# Altium PCB RTU PCB v1.4.PcbDoc (part 1 of 2)
Units mm, origin at the board's own origin, x right, y up, seen from the top; angles counter-clockwise.
Board outline 270.31 x 104.06 mm, 2 copper layers (Top Layer, Bottom Layer); 361 components, 282 nets, 1153 pads, 0 vias.
Unrouted connection lines stored in the file: 810.
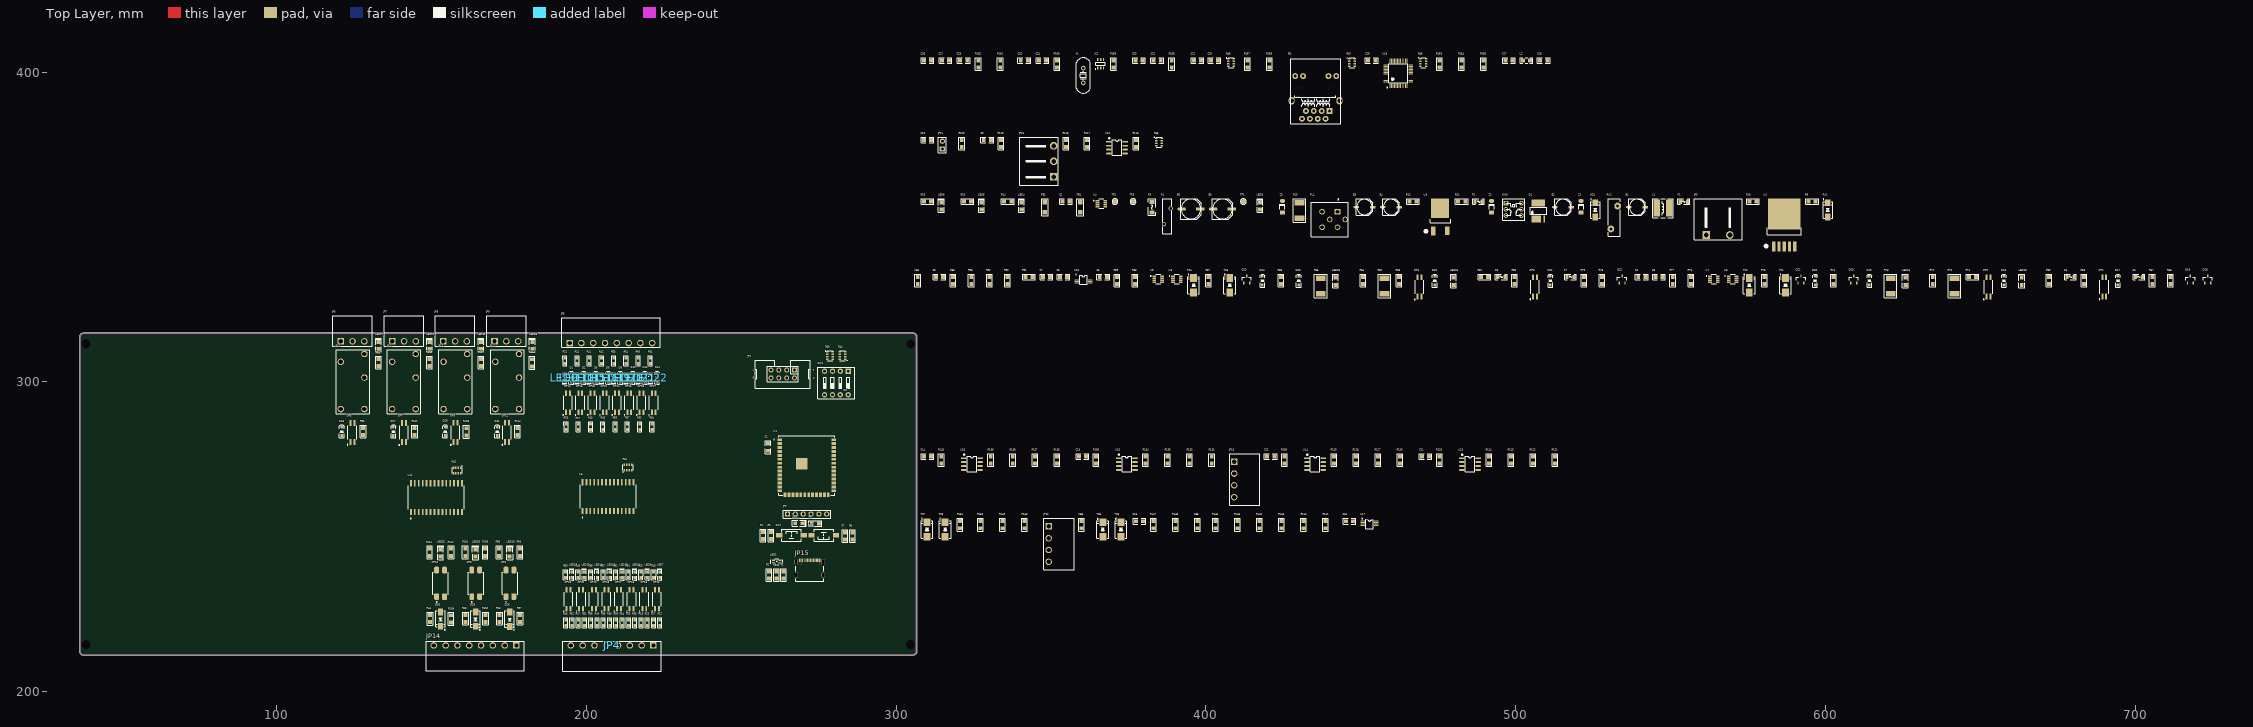
[diagram p0: Top Layer view]
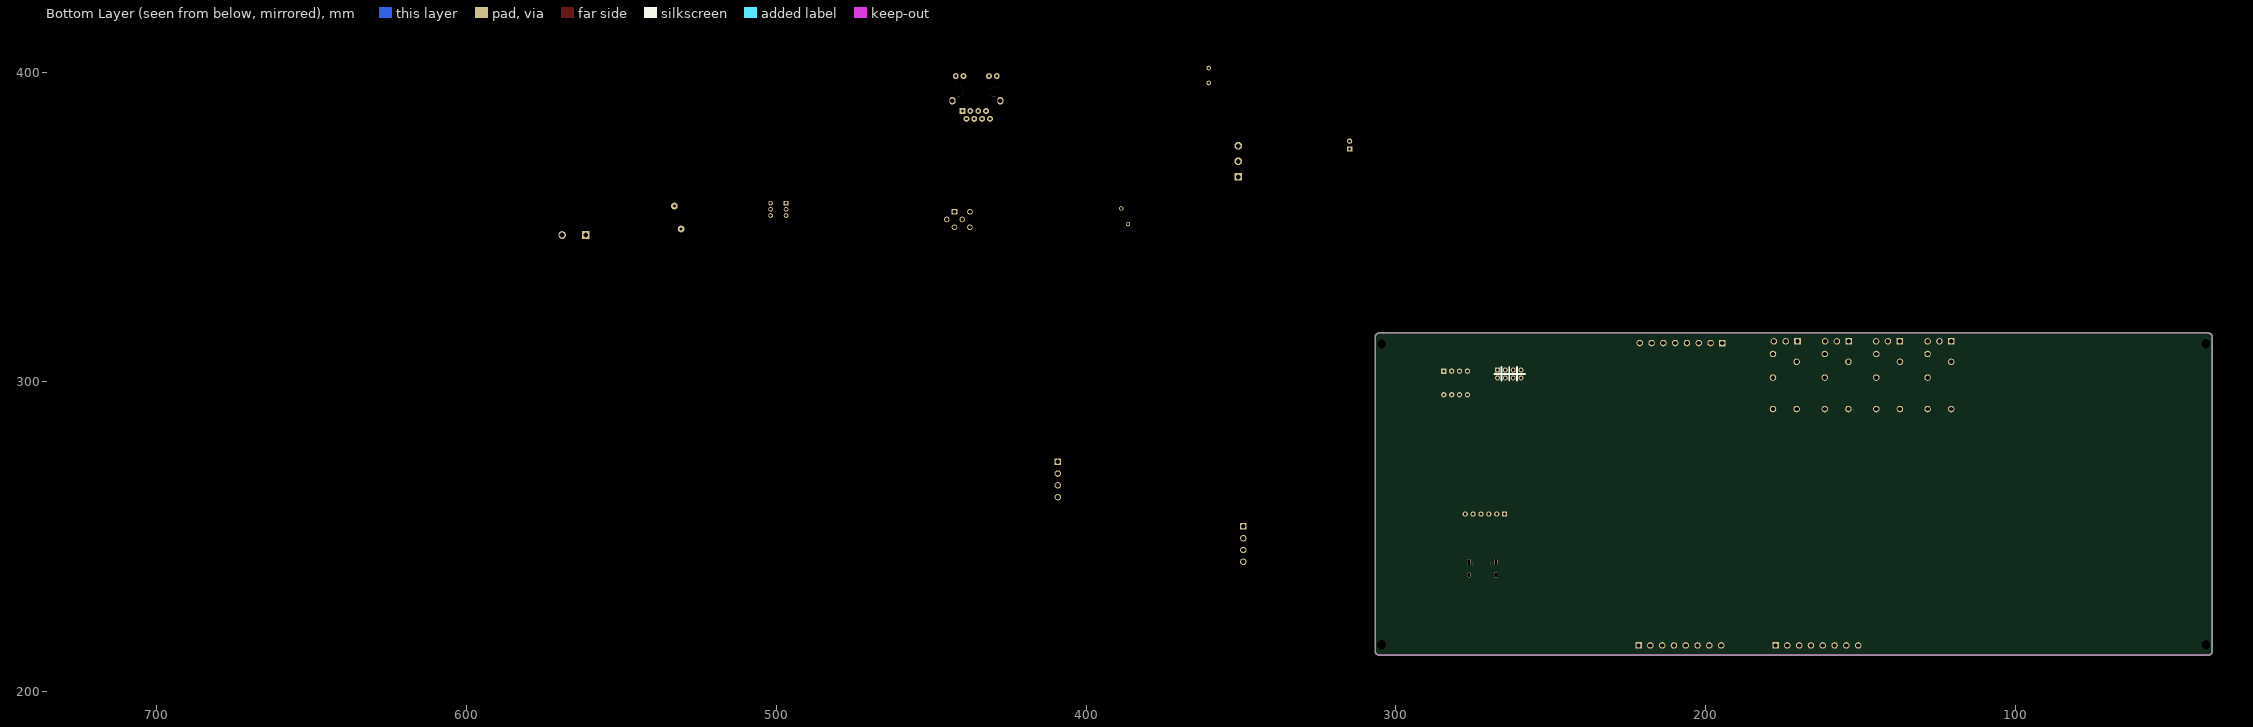
[diagram p1: Bottom Layer view, seen from below]

## Layer stack, top to bottom
Top Solder: solder mask 0.0102, Solder Resist, Dk 3.5
Top Layer: signal copper 0.0356
Dielectric 1: dielectric 0.32, FR-4, Dk 4.8
Bottom Layer: signal copper 0.0356
Bottom Solder: solder mask 0.0102, Solder Resist, Dk 3.5

## Board outline
37.665,211.762 cw(c37.757,213.144) 36.372,213.158 36.385,213.212 36.385,314.372 36.372,314.428 cw(c37.757,314.414) 37.691,315.797 37.77,315.824 305.359,315.824 305.387,315.821 cw(c305.295,314.439) 306.68,314.439 306.682,314.34 306.682,213.017 306.668,212.959 cw(c305.295,213.144) 305.288,211.759 305.283,211.759

## Design rules (kind name [scope] priority, off if disabled: settings)
Clearance [All] p1: gap=0.15 ignorepadtopadclearanceinfootprint=FALSE
ComponentClearance "Schematic Component Clearance Constraint_2" [InComponent('TP3')] p1: gap=0 collisioncheckmode=3 verticalgap=0 showdistances=FALSE
ComponentClearance "Schematic Component Clearance Constraint_1" [InComponent('TP2')] p2: gap=0 collisioncheckmode=3 verticalgap=0 showdistances=FALSE
ComponentClearance "Schematic Component Clearance Constraint" [InComponent('TP1')] p3: gap=0 collisioncheckmode=3 verticalgap=0 showdistances=FALSE
ComponentClearance [All] p4: gap=0.254 collisioncheckmode=3 verticalgap=0.254 showdistances=FALSE
PolygonConnect [All] p1: connectstyle=Relief reliefconductorwidth=0.254 reliefentries=4 polygonreliefangle="90 Angle" airgapwidth=0.254
RoomDefinition U_GPIO [InComponentClass('U_GPIO')] p1 off: confinementstyle=ConfineIn formatcopy=TRUE lockcomponents=FALSE outline 303.227,316.164 727.75,316.164 727.75,339.847 303.227,339.847
RoomDefinition U_W5500 [InComponentClass('U_W5500')] p2 off: confinementstyle=ConfineIn formatcopy=TRUE lockcomponents=FALSE outline 307.825,383.031 511.332,383.031 511.332,407.425 307.825,407.425
RoomDefinition U_RS485 [InComponentClass('U_RS485')] p3 off: confinementstyle=ConfineIn formatcopy=TRUE lockcomponents=FALSE outline 307.825,363.182 387.938,363.182 387.938,381.761 307.825,381.761
RoomDefinition "U_Power Regulator" [InComponentClass('U_Power Regulator')] p4 off: confinementstyle=ConfineIn formatcopy=TRUE lockcomponents=FALSE outline 307.825,341.91 603.321,341.91 603.321,361.912 307.825,361.912
RoomDefinition "U_Digital IO" [InComponentClass('U_Digital IO')] p5 off: confinementstyle=ConfineIn formatcopy=TRUE lockcomponents=FALSE outline 320.097,464.841 1051.906,464.841 1051.906,499.656 320.097,499.656
RoomDefinition "U_Analog Output" [InComponentClass('U_Analog Output')] p6 off: confinementstyle=ConfineIn formatcopy=TRUE lockcomponents=FALSE outline 307.825,259.999 517.114,259.999 517.114,279.601 307.825,279.601
RoomDefinition "U_Analog Input" [InComponentClass('U_Analog Input')] p7 off: confinementstyle=ConfineIn formatcopy=TRUE lockcomponents=FALSE outline 307.825,239.127 455.923,239.127 455.923,258.729 307.825,258.729
RoomDefinition Main [InComponentClass('Main')] p8 off: confinementstyle=ConfineIn formatcopy=TRUE lockcomponents=FALSE outline 320.12,438.754 432.837,438.754 432.837,463.455 320.12,463.455
RoutingVias [All] p1: holewidth=0.711 width=1.27 viastyle="Through Hole" minholewidth=0.711 minwidth=1.27 maxholewidth=0.711 maxwidth=1.27
SolderMaskExpansion [All] p1: expansion=0.102 istentingtop=FALSE
Width [All] p1: maxlimit=0.254 minlimit=0.15 preferedwidth=0.254
29 further rules are at their usual default settings.

## Classes and differential pairs
component class U_W5500: C17 C18 C19 C20 C21 C22 C23 C24 C25 C26 C27 C28 IC1 L2 R153 R154 R155 R156 R157 R158 R159 R160 R161 R162 RA6 RA7 RA8 RJ1 U18 X1
component class U_RS485: C9 C10 JP10 JP11 R116 R117 R118 R119 R120 RA5 U12
component class "U_Power Regulator": C2 E1 E2 E3 E4 E5 E6 F1 F2 F3 F4 FB1 FB2 FL1 JP3 L1 LED3 LED4 LED5 LED6 Q1 R9 R10 R11 R12 R13 R14 R15 R16 RU1 RU2 SW3 TP1 TP2 TP3 U2 U3 U4 VD1 Z1 Z2 Z3
component class U_GPIO: C3 C4 C5 C6 C7 C8 D17 D18 D19 D20 D21 D22 D23 D24 D25 D26 D27 D28 D29 D30 D31 F5 F6 F7 F8 FB3 FB4 JP6 JP7 JP8 JP9 JP14 LED23 LED24 LED25 LED26 LED27 LED28 LED29 LED30 LED31 LED32 LED33 OP1 OP2 OP3 OP4 OP5 OP6 OP7 OP8 OP9 OP10 OP11 Q18 Q19 Q20 Q21 Q22 Q23 R26 R28 R44 R66 R67 R68 R69 R70 R71 R72 R73 R74 R75 R76 R77 R78 R79 R80 R81 R82 R83 R84 R85 R86 R87 R88 R89 R90 R91 R92 R93 R94 R95 R97 R98 R99 R100 R101 R102 R104 R106 R107 R108 R109 R111 R112 R113 R114 RA2 RA3 RA4 RL1 RL2 RL3 RL4 SW4 TZ1 TZ2 TZ3 TZ4 U6 U7 U8 U9 U10 U11
component class "U_Digital IO": D1 D2 D5 D6 D9 D10 D13 D14 JP4 JP5 LED7 LED8 LED9 LED10 LED11 LED12 LED13 LED14 LED15 LED16 LED17 LED18 LED19 LED20 LED21 LED22 OP12 OP13 OP14 OP15 OP16 OP17 OP18 OP19 OP20 OP21 OP22 OP23 OP24 OP25 OP26 OP27 R17 R18 R19 R20 R21 R22 R23 R24 R25 R27 R29 R30 R31 R32 R33 R34 R35 R36 R37 R38 R39 R40 R41 R42 R43 R45 R47 R48 R49 R50 R51 R52 R53 R54 R55 R57 R60 R61 R62 R64 RA1 U5
component class "U_Analog Output": C11 C12 C13 C14 JP13 R121 R122 R123 R124 R125 R126 R127 R128 R129 R130 R131 R132 R133 R134 R135 R136 R137 R138 R139 R140 U13 U14 U15 U16
component class "U_Analog Input": C15 C16 FB5 FB6 JP12 R141 R142 R143 R144 R145 R146 R147 R148 R149 R150 R151 R152 TZ5 TZ6 TZ7 TZ8 U17
component class Main: C1 JP1 JP2 JP15 LED1 LED2 R1 R2 R3 R4 R5 R6 R7 R8 SW1 SW2 U1

## Components (designator, comment, footprint, x,y, rotation, side; value= is the part's Value field where it differs from the comment)
C1 "22uF" "C 0805" 258.642,278.926 r270 top
C2 "0.1uF" "C 0805" 354.826,358.216 r0 top
C3 "0.1uF" "C 0805" 546.275,333.907 r0 top
C4 "0.1uF" "C 0805" 540.702,333.907 r0 top
C5 "0.1uF" "C 0805" 366.87,333.907 r0 top
C6 "1uF" "C 0805" 354.054,333.907 r0 top
C7 "0.1uF" "C 0805" 348.481,333.907 r0 top
C8 "1uF" "C 0805" 313.959,333.907 r0 top
C9 "0.1uF" "C 0805" 329.419,378.066 r0 top
C10 "10uF" "C 0805" 310.103,378.066 r0 top
C11 "100uF/25V" "C 0805" 470.921,275.906 r0 top
C12 "100uF/25V" "C 0805" 420.908,275.906 r0 top
C13 "100uF/25V" "C 0805" 360.117,275.906 r0 top
C14 "100uF/25V" "C 0805" 310.103,275.906 r0 top
C15 "1uF" "C 0805" 446.382,255.034 r0 top
C16 "1uF" "C 0805" 378.563,255.034 r0 top
C17 "0.1uF" "C 0805" 497.869,403.73 r0 top
C18 "0.1uF" "C 0805" 509.034,403.73 r0 top
C19 "22nF" "C 0805" 453.518,403.73 r0 top
C20 "0.1uF" "C 0805" 402.803,403.73 r0 top
C21 "6.8nF" "C 0805" 397.23,403.73 r0 top
C22 "6.8nF" "C 0805" 384.274,403.73 r0 top
C23 "18pF" "C 0805" 378.428,403.73 r0 top
C24 "0.01uF" "C 0805" 347.2,403.73 r0 top
C25 "18pF" "C 0805" 341.354,403.73 r0 top
C26 "6.8nF" "C 0805" 310.103,403.73 r0 top
C27 "4.7uF" "C 0805" 315.949,403.73 r0 top
C28 "0.01uF" "C 0805" 321.795,403.73 r0 top
D1 "1N4148" SOD-323 195.128,301.425 r90 top
D2 "1N4148" SOD-323 199.077,301.425 r90 top
D5 "1N4148" SOD-323 203.025,301.425 r90 top
D6 "1N4148" SOD-323 206.974,301.425 r90 top
D9 "1N4148" SOD-323 210.923,301.425 r90 top
D10 "1N4148" SOD-323 214.871,301.425 r90 top
D13 "1N4148" SOD-323 218.82,301.425 r90 top
D14 "1N4148" SOD-323 222.768,301.425 r90 top
D17 "1N4148" SOD-323 694.426,332.739 r90 top
D18 "1N4148" SOD-323 657.594,332.739 r90 top
D19 "1N4148" SOD-323 614.173,332.739 r90 top
D20 "1N4148" SOD-323 596.64,332.739 r90 top
D21 "1N4148" SOD-323 511.2,332.739 r90 top
D22 "1N4148" SOD-323 473.874,332.739 r90 top
D23 "1N4148" SOD-323 429.932,332.739 r90 top
D24 "1N4148" SOD-323 418.251,332.739 r90 top
D25 "1N4148" SOD-323 121.001,284.022 r90 top
D26 "M7" SMA 175.227,223.394 r270 top
D27 "1N4148" SOD-323 137.705,284.037 r90 top
D28 "M7" SMA 164.212,223.413 r270 top
D29 "1N4148" SOD-323 154.384,284.044 r90 top
D30 "M7" SMA 152.902,223.437 r270 top
D31 "1N4148" SOD-323 171.241,284.022 r90 top
E1 "100uF/50V" "CM C(5*5.4)" 539.186,356.464 r0 top
E2 "220uF/35V" "CM C(5*5.4)" 515.29,356.464 r0 top
E3 "10uF" "CM C(5*5.4)" 451.175,356.464 r0 top
E4 "10uF" "CM C(5*5.4)" 459.748,356.464 r0 top
E5 "10uF" "CM D(6.3*7.7)" 395.17,355.829 r0 top
E6 "22uF" "CM D(6.3*7.7)" 405.35,355.829 r0 top
F1 "MSMD200-8V 2A" "FU 0805" 554.281,358.216 r0 top
F2 "MSMD200-8V 2A" "FU 0805" 488.022,358.216 r0 top
F3 "MSMD200-8V 2A" "FU 1206" 382.583,356.438 r90 top
F4 "PTC" PTC 387.543,353.492 r90 top
F5 "MSMD200-8V 2A" "FU 0805" 701.194,333.907 r0 top
F6 "MSMD200-8V 2A" "FU 0805" 679.09,333.907 r0 top
F7 "MSMD200-8V 2A" "FU 0805" 517.714,333.907 r0 top
F8 "MSMD200-8V 2A" "FU 0805" 495.356,333.907 r0 top
FB1 "?!" "F 1206" 359.416,356.438 r90 top
FB2 "?!" "F 1206" 347.989,356.438 r90 top
FB3 "Value" "F 0805" 318.396,332.789 r90 top
FB4 "Value" "F 0805" 306.97,332.789 r90 top
FB5 "Value" "F 0805" 397.24,253.916 r90 top
FB6 "Value" "F 0805" 359.88,253.916 r90 top
FL1 "BNX002-01" FIL_BNX002-01 439.978,352.451 r0 top
IC1 "SMF05C" SOT23-6L 365.979,402.689 r0 top
JP1 "Header 4X2" IDC2.54-8P 267.188,303.853 r180 top
JP2 "HDR-1X6" HDR-1X6 264.887,257.346 r0 top
JP3 "HDR-1X2" KF2EDGK-2P_H_7.62 561.51,347.421 r0 top
JP4 "HDR-1X8" KF-8P-BLK-H-3.81 208.18,215.26 r0 top
JP5 "HDR-1X8" KF-8P-BLK-H-3.81 208.038,312.22 r180 top
JP6 "HDR-1X3" KF-3P-BLK-H-3.81 123.929,313.044 r180 top
JP7 "HDR-1X3" KF-3P-BLK-H-3.81 140.56,313.044 r180 top
JP8 "HDR-1X3" KF-3P-BLK-H-3.81 157.024,313.044 r180 top
JP9 "HDR-1X3" KF-3P-BLK-H-3.81 173.556,313.044 r180 top
JP10 "HDR-1X3" KF2EDGK-3P_H_5.08 350.873,366.23 r90 top
JP11 "HDR-1X2" HDR-1X2 314.914,375.196 r90 top
JP12 "HDR-1X4" KF-4P-BLK-H-3.81 350.817,248.532 r90 top
JP13 "HDR-1X4" KF-4P-BLK-H-3.81 410.709,269.403 r90 top
JP14 "HDR-1X8" KF-8P-BLK-H-3.81 163.941,215.26 r0 top
JP15 "USB-C" USB-C-RIGHT 271.817,238.504 r0 top
L1 "33uH" CD53 547.55,356.083 r0 top
L2 "1uH" "L 0805" 503.461,403.755 r0 top
LED1 "LED RGB_A" RGB-0805-A 261.457,241.969 r180 top
LED2 "LED-SMD" "LED 0805B" 268.564,254.383 r0 top
LED3 "LED-SMD" "LED 0805R" 417.442,356.794 r90 top
LED4 "LED-SMD" "LED 0805R" 340.485,356.794 r90 top
LED5 "LED-SMD" "LED 0805R" 327.529,356.794 r90 top
LED6 "LED-SMD" "LED 0805R" 314.573,356.794 r90 top
LED7 "LED-SMD" "LED 0603G" 223.712,237.739 r90 top
LED8 "LED-SMD" "LED 0603G" 219.654,237.739 r90 top
LED9 "LED-SMD" "LED 0603B" 193.04,301.311 r270 top
LED10 "LED-SMD" "LED 0603B" 196.988,301.311 r270 top
LED11 "LED-SMD" "LED 0603G" 215.596,237.739 r90 top
LED12 "LED-SMD" "LED 0603G" 211.537,237.739 r90 top
LED13 "LED-SMD" "LED 0603G" 207.479,237.739 r90 top
LED14 "LED-SMD" "LED 0603G" 203.421,237.739 r90 top
LED15 "LED-SMD" "LED 0603B" 200.937,301.311 r270 top
LED16 "LED-SMD" "LED 0603B" 204.885,301.311 r270 top
LED17 "LED-SMD" "LED 0603G" 199.362,237.739 r90 top
LED18 "LED-SMD" "LED 0603G" 195.304,237.739 r90 top
LED19 "LED-SMD" "LED 0603B" 208.834,301.311 r270 top
LED20 "LED-SMD" "LED 0603B" 212.783,301.311 r270 top
LED21 "LED-SMD" "LED 0603B" 216.731,301.311 r270 top
LED22 "LED-SMD" "LED 0603B" 220.68,301.311 r270 top
LED23 "LED-SMD" "LED 0805B" 663.358,332.485 r90 top
LED24 "LED-SMD" "LED 0805B" 625.779,332.485 r90 top
LED25 "LED-SMD" "LED 0805B" 479.892,332.485 r90 top
LED26 "LED-SMD" "LED 0805B" 441.791,332.485 r90 top
LED27 "LED-SMD" "LED 0805B" 132.829,311.789 r90 top
LED28 "LED-SMD" "LED 0805B" 175.226,244.732 r90 top
LED29 "LED-SMD" "LED 0805B" 149.376,311.789 r90 top
LED30 "LED-SMD" "LED 0805B" 164.136,244.732 r90 top
LED31 "LED-SMD" "LED 0805B" 165.927,311.789 r90 top
LED32 "LED-SMD" "LED 0805B" 152.887,244.732 r90 top
LED33 "LED-SMD" "LED 0805B" 182.512,311.723 r90 top
OP1 "VOS618A" VOS618A-SSOP4 689.804,330.859 r90 top
OP2 "VOS618A" VOS618A-SSOP4 652.464,330.859 r90 top
OP3 "VOS618A" VOS618A-SSOP4 506.071,330.859 r90 top
OP4 "VOS618A" VOS618A-SSOP4 468.744,330.859 r90 top
OP5 "VOS618A" VOS618A-SSOP4 124.227,283.885 r90 top
OP6 "817" PC817-SMD 175.303,234.995 r90 top
OP7 "VOS618A" VOS618A-SSOP4 140.87,283.874 r90 top
OP8 "817" PC817-SMD 164.244,234.995 r90 top
OP9 "VOS618A" VOS618A-SSOP4 157.551,283.901 r90 top
OP10 "817" PC817-SMD 152.912,234.995 r90 top
OP11 "VOS618A" VOS618A-SSOP4 174.203,283.901 r90 top
OP12 "VOS618A" VOS618A-SSOP4 222.551,230.045 r90 top
OP13 "VOS618A" VOS618A-SSOP4 218.478,230.045 r90 top
OP14 "VOS618A" VOS618A-SSOP4 193.854,293.482 r90 top
OP15 "VOS618A" VOS618A-SSOP4 197.809,293.482 r90 top
OP16 "VOS618A" VOS618A-SSOP4 214.405,230.045 r90 top
OP17 "VOS618A" VOS618A-SSOP4 210.332,230.045 r90 top
OP18 "VOS618A" VOS618A-SSOP4 206.259,230.045 r90 top
OP19 "VOS618A" VOS618A-SSOP4 202.186,230.045 r90 top
OP20 "VOS618A" VOS618A-SSOP4 201.764,293.482 r90 top
OP21 "VOS618A" VOS618A-SSOP4 205.72,293.482 r90 top
OP22 "VOS618A" VOS618A-SSOP4 198.113,230.045 r90 top
OP23 "VOS618A" VOS618A-SSOP4 194.04,230.045 r90 top
OP24 "VOS618A" VOS618A-SSOP4 209.675,293.482 r90 top
OP25 "VOS618A" VOS618A-SSOP4 213.63,293.482 r90 top
OP26 "VOS618A" VOS618A-SSOP4 217.585,293.482 r90 top
OP27 "VOS618A" VOS618A-SSOP4 221.54,293.482 r90 top
Q1 "FDS4435BZ" SOP8-E3 507.296,355.194 r0 top
Q18 "BSS84" SOT23-3L 723.426,333.12 r0 top
Q19 "BSS84" SOT23-3L 717.827,333.12 r0 top
Q20 "2N7002" SOT23-3L 609.12,333.12 r0 top
Q21 "2N7002" SOT23-3L 592.094,333.12 r0 top
Q22 "BSS84" SOT23-3L 534.348,333.12 r0 top
Q23 "2N7002" SOT23-3L 413.198,333.12 r0 top
R1 "1K" "R 0805" 263.651,237.659 r90 top
R2 "1K" "R 0805" 258.98,237.659 r90 top
R3 "1K" "R 0805" 261.315,237.659 r90 top
R4 "10K" "R 0805" 257.056,250.427 r270 top
R5 "10K" "R 0805" 285.898,250.302 r270 top
R6 "1K" "R 0805" 259.585,250.427 r90 top
R7 "1K" "R 0805" 283.494,250.302 r90 top
R8 "1K" "R 0805" 273.88,254.333 r0 top
R9 "1K" "R 0805" 595.709,358.242 r0 top
R10 "Value" "R 0805" 576.633,358.242 r0 top
R11 "1K" "R 0805" 482.568,358.242 r0 top
R12 "1K" "R 0805" 466.821,358.242 r0 top
R13 "50m" "R 1812" 430.251,355.321 r90 top
R14 "10K" "R 0805" 336.016,358.242 r0 top
R15 "1K" "R 0805" 323.06,358.242 r0 top
R16 "1.2K" "R 0805" 310.103,358.242 r0 top
R17 "10K" "R 0603" 221.693,222.275 r90 top
R18 "10K" "R 0603" 217.639,222.275 r90 top
R19 "1K" "R 0603" 221.643,237.744 r270 top
R20 "1K" "R 0603" 217.584,237.744 r270 top
R21 "10K" "R 0603" 193.049,306.868 r90 top
R22 "10K" "R 0603" 223.72,222.288 r90 top
R23 "10K" "R 0603" 219.666,222.275 r90 top
R24 "10K" "R 0603" 196.993,306.868 r90 top
R25 "1K" "R 0603" 193.411,285.532 r90 top
R26 "10K" "R 0805" 171.896,223.628 r270 top
R27 "1K" "R 0603" 197.376,285.532 r90 top
R28 "10K" "R 0805" 160.974,223.666 r270 top
R29 "10K" "R 0603" 213.584,222.275 r90 top
R30 "10K" "R 0603" 209.53,222.275 r90 top
R31 "1K" "R 0603" 213.526,237.769 r90 top
R32 "1K" "R 0603" 209.467,237.769 r90 top
R33 "10K" "R 0603" 215.612,222.275 r90 top
R34 "10K" "R 0603" 211.557,222.275 r90 top
R35 "10K" "R 0603" 205.476,222.275 r90 top
R36 "10K" "R 0603" 201.421,222.275 r90 top
R37 "1K" "R 0603" 205.409,237.769 r90 top
R38 "1K" "R 0603" 201.351,237.769 r90 top
R39 "10K" "R 0603" 207.503,222.275 r90 top
R40 "10K" "R 0603" 203.449,222.275 r90 top
R41 "10K" "R 0603" 200.938,306.868 r90 top
R42 "10K" "R 0603" 204.882,306.868 r90 top
R43 "1K" "R 0603" 201.342,285.532 r90 top
R44 "10K" "R 0805" 149.446,223.583 r270 top
R45 "1K" "R 0603" 205.308,285.532 r90 top
R47 "10K" "R 0603" 197.367,222.275 r90 top
R48 "10K" "R 0603" 193.313,222.275 r90 top
R49 "1K" "R 0603" 197.292,237.769 r90 top
R50 "1K" "R 0603" 193.234,237.769 r90 top
R51 "10K" "R 0603" 199.394,222.275 r90 top
R52 "10K" "R 0603" 195.34,222.275 r90 top
R53 "10K" "R 0603" 208.827,306.868 r90 top
R54 "10K" "R 0603" 212.772,306.868 r90 top
R55 "1K" "R 0603" 209.274,285.532 r90 top
R57 "1K" "R 0603" 213.239,285.532 r90 top
R60 "10K" "R 0603" 216.716,306.868 r90 top
R61 "10K" "R 0603" 220.661,306.868 r90 top
R62 "1K" "R 0603" 217.205,285.532 r90 top
R64 "1K" "R 0603" 221.171,285.532 r90 top
R66 "1k" "R 0805" 711.34,332.789 r90 top
R67 "1k" "R 0805" 705.499,332.789 r90 top
R68 "1k" "R 0805" 683.395,332.789 r90 top
R69 "10K" "R 0805" 672.22,332.789 r90 top
R70 "50m" "R 1812" 641.625,331.011 r90 top
R71 "1k" "R 0805" 647.471,333.932 r0 top
R72 "10K" "R 0805" 634.641,332.789 r90 top
R73 "50m" "R 1812" 621.056,331.011 r90 top
R74 "10k" "R 0805" 602.633,332.789 r90 top
R75 "10k" "R 0805" 580.268,332.789 r90 top
R76 "1k" "R 0805" 556.54,332.789 r90 top
R77 "1K" "R 0805" 550.7,332.789 r90 top
R78 "1k" "R 0805" 527.86,332.789 r90 top
R79 "1k" "R 0805" 522.02,332.789 r90 top
R80 "1k" "R 0805" 499.662,332.789 r90 top
R81 "10K" "R 0805" 489.903,333.932 r0 top
R82 "50m" "R 1812" 457.637,331.011 r90 top
R83 "1k" "R 0805" 462.335,332.789 r90 top
R84 "10K" "R 0805" 450.654,332.789 r90 top
R85 "50m" "R 1812" 437.068,331.011 r90 top
R86 "10k" "R 0805" 424.244,332.789 r90 top
R87 "10k" "R 0805" 400.863,332.789 r90 top
R88 "1K" "R 0805" 377.136,332.789 r90 top
R89 "1K" "R 0805" 371.295,332.789 r90 top
R90 "10K" "R 0805" 335.918,332.789 r90 top
R91 "10K" "R 0805" 342.908,333.932 r0 top
R92 "10K" "R 0805" 330.078,332.789 r90 top
R93 "10K" "R 0805" 324.237,332.789 r90 top
R94 "1k" "R 0805" 132.814,306.257 r90 top
R95 "1k" "R 0805" 127.936,283.972 r270 top
R97 "10K" "R 0805" 178.597,223.669 r270 top
R98 "1k" "R 0805" 171.798,245.019 r270 top
R99 "10K" "R 0805" 178.499,245.019 r270 top
R100 "1k" "R 0805" 149.361,306.257 r90 top
R101 "1k" "R 0805" 144.568,283.979 r270 top
R102 "10K" "R 0805" 167.42,223.647 r270 top
R104 "1k" "R 0805" 160.879,245.019 r90 top
R106 "10K" "R 0805" 167.325,245.019 r90 top
R107 "1k" "R 0805" 165.911,306.257 r90 top
R108 "1k" "R 0805" 161.197,283.919 r270 top
R109 "10K" "R 0805" 156.345,223.532 r270 top
R111 "1k" "R 0805" 149.351,245.019 r90 top
R112 "10K" "R 0805" 156.248,245.019 r270 top
R113 "1k" "R 0805" 182.497,306.191 r90 top
R114 "1k" "R 0805" 177.781,283.963 r270 top
R116 "120" "R 0805" 377.38,376.948 r90 top
R117 "2.2K" "R 0805" 361.654,376.948 r90 top
R118 "2.2K" "R 0805" 354.797,376.948 r90 top
R119 "120" "R 0805" 333.844,376.948 r90 top
R120 "120" "R 0805" 321.161,376.948 r90 top
R121 "10K" "R 0805" 512.657,274.788 r90 top
R122 "1K" "R 0805" 505.547,274.788 r90 top
R123 "1K" "R 0805" 498.437,274.788 r90 top
R124 "5.1K" "R 0805" 491.327,274.788 r90 top
R125 "10K" "R 0805" 475.346,274.788 r90 top
R126 "10K" "R 0805" 462.663,274.788 r90 top
R127 "1K" "R 0805" 455.552,274.788 r90 top
R128 "1K" "R 0805" 448.442,274.788 r90 top
R129 "5.1K" "R 0805" 441.332,274.788 r90 top
R130 "10K" "R 0805" 425.352,274.788 r90 top
R131 "10K" "R 0805" 401.872,274.788 r90 top
R132 "1K" "R 0805" 394.761,274.788 r90 top
R133 "1K" "R 0805" 387.651,274.788 r90 top
R134 "5.1K" "R 0805" 380.541,274.788 r90 top
R135 "10K" "R 0805" 364.561,274.788 r90 top
R136 "10K" "R 0805" 351.858,274.788 r90 top
R137 "1K" "R 0805" 344.748,274.788 r90 top
R138 "1K" "R 0805" 337.638,274.788 r90 top
R139 "5.1K" "R 0805" 330.527,274.788 r90 top
R140 "10K" "R 0805" 314.547,274.788 r90 top
R141 "10K" "R 0805" 438.632,253.916 r90 top
R142 "10K" "R 0805" 417.301,253.916 r90 top
R143 "10K" "R 0805" 424.411,253.916 r90 top
R144 "10K" "R 0805" 431.521,253.916 r90 top
R145 "10K" "R 0805" 403.08,253.916 r90 top
R146 "10K" "R 0805" 410.191,253.916 r90 top
R147 "10K" "R 0805" 383.006,253.916 r90 top
R148 "10K" "R 0805" 390.117,253.916 r90 top
R149 "10K" "R 0805" 334.361,253.916 r90 top
R150 "10K" "R 0805" 341.472,253.916 r90 top
R151 "10K" "R 0805" 320.649,253.916 r90 top
R152 "10K" "R 0805" 327.251,253.916 r90 top
R153 "51R" "R 0805" 475.39,402.613 r90 top
R154 "51R" "R 0805" 482.5,402.613 r90 top
R155 "10R" "R 0805" 489.61,402.613 r90 top
R156 "1K" "R 0805" 420.459,402.613 r90 top
R157 "1K" "R 0805" 413.348,402.613 r90 top
R158 "12.4K 1%" "R 0805" 388.971,402.613 r90 top
R159 "82R" "R 0805" 370.169,402.613 r90 top
R160 "1M" "R 0805" 351.898,402.613 r90 top
R161 "10K" "R 0805" 333.603,402.613 r90 top
R162 "82R" "R 0805" 326.493,402.613 r90 top
RA1 "10K" "RA1206 (4x0603)" 213.39,272.403 r90 top
RA2 "10K" "RA1206 (4x0603)" 158.284,271.403 r270 top
RA3 "1K" "RA1206 (4x0603)" 278.664,308.48 r0 top
RA4 "10K" "RA1206 (4x0603)" 282.711,308.487 r180 top
RA5 "10K" "RA1206 (4x0603)" 384.853,377.406 r0 top
RA6 "Value" "RA1206 (4x0603)" 470.159,403.07 r0 top
RA7 "Value" "RA1206 (4x0603)" 447.139,403.07 r0 top
RA8 "Value" "RA1206 (4x0603)" 408.117,403.07 r0 top
RJ1 "HR911105A" RJ-45A12 442.077,398.726 r90 top
RL1 "G5Q-14-EU" G5Q-14-EU 124.263,299.755 r90 top
RL2 "G5Q-14-EU" G5Q-14-EU 140.822,299.755 r90 top
RL3 "G5Q-14-EU" G5Q-14-EU 157.428,299.755 r90 top
RL4 "G5Q-14-EU" G5Q-14-EU 174.171,299.755 r90 top
RU1 "25v" SMA 600.794,355.575 r90 top
RU2 "*" "Varistor Short Hieght - Straight" 531.815,349.098 r90 top
SW1 "3x6x5" "TSW SMD-3*6*2.5" 266.242,250.488 r0 top
SW2 "3x6x5" "TSW SMD-3*6*2.5" 276.602,250.488 r180 top
SW3 "KET 7X7" "KFT DIP-7X7" 499.346,355.727 r0 top
SW4 "CSW-4P" "CSW DIP-4P_G" 280.699,299.674 r180 top
TP1 "Test Point Pad" TP15 412.084,358.242 r0 top
TP2 "Test Point Pad" TP15 370.625,358.242 r90 top
TP3 "Test Point Pad" TP15 376.475,358.242 r90 top
TZ1 "TVS Diode" SMB 587.105,331.24 r90 top
TZ2 "TVS Diode" SMB 575.418,331.24 r90 top
TZ3 "TVS Diode" SMB 407.701,331.24 r90 top
TZ4 "TVS Diode" SMB 396.013,331.24 r90 top
TZ5 "TVS Diode" SMB 366.717,252.367 r90 top
TZ6 "TVS Diode" SMB 372.564,252.367 r90 top
TZ7 "TVS Diode" SMB 309.952,252.367 r90 top
TZ8 "TVS Diode" SMB 315.799,252.367 r90 top
U1 "ESP32 WROOM S3" "ESP32 WROOM S3" 269.868,272.97 r0 top
U2 "LM2596-ADJ" TO263-5A 586.7,343.738 r0 top
U3 "LD1086" TO252 475.617,351.841 r0 top
U4 "INA219" SOT23-8 364.608,357.556 r0 top
U5 "MCP23017" SOIC28 207,263.043 r90 top
U6 "INA219" SOT23-8 568.413,333.247 r0 top
U7 "INA219" SOT23-8 562.393,333.247 r0 top
U8 "INA219" SOT23-8 389.008,333.247 r0 top
U9 "INA219" SOT23-8 382.988,333.247 r0 top
U10 "ADS1115" VSSOP10-N 360.462,332.967 r0 top
U11 "MCP23017" SOIC28 151.607,262.709 r90 top
U12 "MAX485" SOP8_N 371.307,375.653 r0 top
U13 "LM358" SOP8_N 485.253,273.493 r0 top
U14 "LM358" SOP8_N 435.259,273.493 r0 top
U15 "LM358" SOP8_N 374.468,273.493 r0 top
U16 "LM358" SOP8_N 324.454,273.493 r0 top
U17 "ADS1115" VSSOP10-N 452.809,254.094 r0 top
U18 "SPI Ethernet IC" "LQFP48 7X7_L" 462.114,399.615 r0 top
VD1 "SS34" SMA 525.694,355.575 r90 top
X1 "25M" XTAL-HC49S-THD 360.407,398.929 r90 top
Z1 "5.4V/6.2V" DO-213AA 521.123,356.591 r90 top
Z2 "1N4106" DO-213AA 492.235,356.591 r90 top
Z3 "3.6V" DO-213AA 424.689,356.591 r90 top

## Footprints (in the part's own frame and the unit in brackets; to place one, negate y for a bottom-side part, rotate by r counter-clockwise, add the part's x,y. Pads: shape width x height; smd on the part's side, far side on the other; paste and mask are expansions set on the pad)
"C 0805" [mil] "ï¿½Þ¼ï¿½ï¿½ï¿½ï¿½ï¿½Æ¬ï¿½ï¿½ï¿½ï¿½"
  rect 50x50 smd: 1(-45,0) 2(45,0)
  silkscreen extent -81,-36 81,36, body extent -39,-24 39,24, height 20
CD53 [mm] "5.8*5.2*3.5mm£¨³¤¿í¸ß£©"
  rect 2.15x5.5 smd: 1(-2,0) 2(2,0)
  silkscreen extent -3.3,-3.05 3.3,3.05, body extent -2.87,-2.5 2.87,2.5, height 3.6
"CM C(5*5.4)" [mm] "ï¿½ï¿½Æ¬ï¿½ï¿½ï¿½ï¿½ï¿½Ý£ï¿½Ö±ï¿½ï¿½5mmï¿½ï"
  rect 1.8x0.8 smd: 1(2.65,0)
  oval 1.8x0.8 smd: 2(-2.65,0)
  silkscreen extent -2.65,-2.65 2.65,2.65, body extent -2.95,-2.65 2.95,2.65, height 5.4
"CM D(6.3*7.7)" [mm] "ï¿½ï¿½Æ¬ï¿½ï¿½ï¿½ï¿½ï¿½Ý£ï¿½Ö±ï¿½ï¿½6.3mmï¿½ï"
  rect 2.7x1 smd: 1(3,0)
  oval 2.7x1 smd: 2(-3,0)
  silkscreen extent -3.3,-3.3 3.3,3.3, body extent -3.5,-3.3 3.5,3.3, height 7.7
"CSW DIP-4P_G" [mm] "11.7*9.9*7mm"
  rect 1.7x1.7 hole 0.9: 1(-3.81,-3.81)
  round 1.7 hole 0.9: 2(-1.27,-3.81) 3(1.27,-3.81) 4(3.81,-3.81) 5(3.81,3.81) 6(1.27,3.81) 7(-1.27,3.81) 8(-3.81,3.81)
  silkscreen extent -5.97,-5.08 5.97,5.08, body extent -5.86,-4.95 5.86,4.95, height 6.65
DO-213AA [mm] "1.5*3.5mm(Ö±¾¶£¬½Å¾à£©"
  rect 1.37x1.62 smd: 1(-1.855,0)
  oct 1.37x1.62 smd: 2(1.855,0)
  silkscreen extent -0.76,-0.8 0.78,0.8, body extent -1.75,-0.75 1.75,0.75, height 1.53
"ESP32 WROOM S3" [mm]
  rect 1.5x0.9 smd: 1(-7.507,8.395) 2(-7.507,7.125) 3(-7.507,5.855) 4(-7.507,4.585) 5(-7.507,3.315) 6(-7.507,2.045) 7(-7.507,0.775) 8(-7.507,-0.495) 9(-7.507,-1.765) 10(-7.507,-3.035) 11(-7.507,-4.305) 12(-7.507,-5.575) 13(-7.507,-6.845) 14(-7.507,-8.115) 27(9.993,-8.115) 28(9.993,-6.845) 29(9.993,-5.575) 30(9.993,-4.305) 31(9.993,-3.035) 32(9.993,-1.765) 33(9.993,-0.495) 34(9.993,0.775) 35(9.993,2.045) 36(9.993,3.315) 37(9.993,4.585) 38(9.993,5.855) 39(9.993,7.125) 40(9.993,8.395)
  rect 0.9x1.5 smd: 15(-5.742,-9.365) 16(-4.472,-9.365) 17(-3.202,-9.365) 18(-1.932,-9.365) 19(-0.662,-9.365) 20(0.608,-9.365) 21(1.878,-9.365) 22(3.148,-9.365) 23(4.418,-9.365) 24(5.688,-9.365) 25(6.958,-9.365) 26(8.228,-9.365)
  rect 3.6x3.6 smd: 40(-0.33,0.635)
  silkscreen extent -9.36,-9.62 10.24,9.58, body extent -7.81,-9.55 10.19,9.65, height 3.35
"F 0805" [mm]
  rect 1.27x1.27 smd: 1(-1.143,0) 2(1.143,0)
  silkscreen extent -2.05,-0.91 2.05,0.91, body extent -1,-0.62 1,0.63, height 0.5
"F 1206" [mil]
  rect 60x60 smd: 1(-65,0) 2(65,0)
  silkscreen extent -107,-42 107,42, body extent -63,-31 63,32, height 22
FIL_BNX002-01 [mm]
  rect 1.8x1.8 hole 1.2: 1(2.5,2.5)
  round 1.8 hole 1.2: 2(2.5,-2.5) 3(-2.5,2.5) 4(5,0) 5(-2.5,-2.5) 6(0,0)
  silkscreen extent -6,-5.5 6,6.65, body extent -6,-5.5 6,5.5, height 8.6
"FU 0805" [mil] "ÌùÆ¬±£ÏÕË¿"
  rect 40x55 smd: 1(-45,0) 2(45,0)
  silkscreen extent -75,-35 75,35, body extent -39,-24 39,24, height 20
"FU 1206" [mil] "ÌùÆ¬±£ÏÕË¿"
  rect 50x65 smd: 1(-67.5,0) 2(67.5,0)
  silkscreen extent -105,-45 105,45, body extent -63,-32 63,32, height 34
G5Q-14-EU [mm]
  round 2.1 hole 1.4: 1(-8.509,-4.064) 2(1.651,-4.064) 3(9.271,-4.064) 4(6.731,3.556) 5(-8.509,3.556)
  silkscreen extent -10.03,-5.59 10.67,5.08, body extent -9.84,-5.4 10.46,4.9, height 16.2
HDR-1X2 [mm] "ï¿½ï¿½ï¿½ë£¬2ï¿½ï¿½"
  rect 1.7x1.7 hole 0.9: 1(0,0)
  round 1.7 hole 0.9: 2(2.54,0)
  silkscreen extent -1.27,-1.27 3.81,1.27, body extent -1.27,-1.27 3.81,1.27, height 8.5
HDR-1X6 [mm] "ï¿½ï¿½ï¿½ë£¬6ï¿½ï¿½"
  rect 1.7x1.7 hole 0.9: 1(0,0)
  round 1.7 hole 0.9: 2(2.54,0) 3(5.08,0) 4(7.62,0) 5(10.16,0) 6(12.7,0)
  silkscreen extent -1.27,-1.27 13.97,1.27, body extent -1.27,-1.27 13.97,1.27, height 8.5
IDC2.54-8P [mm] "8P¼òÒ×Å£½Ç×ù"
  rect 1.6x1.6 hole 0.9: 1(0,0)
  round 1.6 hole 0.9: 2(0,2.54) 3(2.54,0) 4(2.54,2.54) 5(5.08,0) 6(5.08,2.54) 7(7.62,0) 8(7.62,2.54)
  silkscreen extent -5.11,-3.18 12.7,5.84, body extent -5.08,-3.08 12.7,5.77, height 9.17
KF2EDGK-2P_H_7.62 [mm] "ï¿½ï¿½Ç²ï¿½ï¿½Ê½ï¿½ï¿½ï¿½ï¿½"
  rect 2.5x2.5 hole 1.6: 1(0,0)
  round 2.5 hole 1.6: 2(7.625,0)
  silkscreen extent -3.8,-1.52 11.58,11.7, body extent -3.78,-0.61 11.47,11.59, height 8.04
KF2EDGK-3P_H_5.08 [mm] "ï¿½ï¿½Ç²ï¿½ï¿½Ê½ï¿½ï¿½ï¿½ï¿½"
  rect 2.5x2.5 hole 1.6: 1(0,0)
  round 2.5 hole 1.6: 2(5,0) 3(10,0)
  silkscreen extent -2.79,-1.52 12.75,11.05, body extent -2.54,-0.5 12.54,10.8, height 8.5
KF-3P-BLK-H-3.81 [mm]
  rect 2.1x2.1 hole 1.4: 1(3.231,-0.054)
  round 2.1 hole 1.4: 2(-0.579,-0.054) 3(-4.389,-0.054)
  silkscreen extent -6.94,-8.3 5.78,1.45, body extent -6.68,-8.05 5.54,1.15, height 7.2
KF-4P-BLK-H-3.81 [mm]
  rect 2.1x2.1 hole 1.4: 1(4.839,1.6)
  round 2.1 hole 1.4: 2(1.029,1.6) 3(-2.781,1.6) 4(-6.591,1.6)
  silkscreen extent -9.15,-6.65 7.4,3.1, body extent -8.87,-6.43 7.17,2.78, height 7.2
KF-8P-BLK-H-3.81 [mm]
  rect 2.1x2.1 hole 1.4: 1(13.467,-0.329)
  round 2.1 hole 1.4: 2(9.657,-0.329) 3(5.847,-0.329) 4(2.037,-0.329) 5(-1.773,-0.329) 6(-5.583,-0.329) 7(-9.393,-0.329) 8(-13.203,-0.329)
  silkscreen extent -15.75,-8.57 16,1.08, body extent -15.56,-8.13 15.71,1.07, height 7.2
"KFT DIP-7X7" [mm] "7*7mmï¿½ï¿½ï¿½ï¿½"
  rect 1.5x1.5 hole 0.9: 1(-2.5,2)
  round 1.5 hole 0.9: 2(-2.5,0) 3(-2.5,-2) 4(2.5,-2) 5(2.5,0) 6(2.5,2)
  silkscreen extent -3.58,-3.51 3.56,3.42, body extent -3.5,-3.5 3.5,3.5, height 11.2
"L 0805" [mm] "Ð¡¹¦ÂÊÌùÆ¬µç¸Ð"
  rect 1.27x1.27 smd: 1(-1.143,0) 2(1.143,0)
  silkscreen extent -2.05,-0.91 2.05,0.91, body extent -1,-0.6 1,0.6, height 0.9
"LED 0603B" [mil] "ï¿½ï¿½É«0603LED"
  rect 40x31.5 smd: 1(-36.5,0) 2(36.5,0)
  silkscreen extent -68,-25 78,27, body extent -31,-16 32,16, height 24
"LED 0603G" [mm] "ï¿½ï¿½É«0603LED"
  rect 1.016x0.8 smd: 1(-0.927,0) 2(0.927,0)
  silkscreen extent -1.71,-0.64 1.98,0.69, body extent -0.8,-0.4 0.8,0.4, height 0.61
"LED 0805B" [mil] "ï¿½ï¿½É«0805LED"
  rect 50x50 smd: 1(-45,0) 2(45,0)
  silkscreen extent -81,-36 92,36, body extent -39,-25 39,25, height 32
"LED 0805R" [mil] "ï¿½ï¿½É«0805LED"
  rect 50x50 smd: 1(-45,0) 2(45,0)
  silkscreen extent -81,-36 92,36, body extent -39,-25 39,25, height 32
"LQFP48 7X7_L" [mm] "48½Å£¬Ìå¿í7x7mm£¬½Å¾à0.5mm"
  oval 0.25x1.55 smd: 1(-2.75,-4.025) 2(-2.25,-4.025) 3(-1.75,-4.025) 4(-1.25,-4.025) 5(-0.75,-4.025) 6(-0.25,-4.025) 7(0.25,-4.025) 8(0.75,-4.025) 9(1.25,-4.025) 10(1.75,-4.025) 11(2.25,-4.025) 12(2.75,-4.025) 25(2.75,4.025) 26(2.25,4.025) 27(1.75,4.025) 28(1.25,4.025) 29(0.75,4.025) 30(0.25,4.025) 31(-0.25,4.025) 32(-0.75,4.025) 33(-1.25,4.025) 34(-1.75,4.025) 35(-2.25,4.025) 36(-2.75,4.025)
  oval 1.55x0.25 smd: 13(4.025,-2.75) 14(4.025,-2.25) 15(4.025,-1.75) 16(4.025,-1.25) 17(4.025,-0.75) 18(4.025,-0.25) 19(4.025,0.25) 20(4.025,0.75) 21(4.025,1.25) 22(4.025,1.75) 23(4.025,2.25) 24(4.025,2.75) 37(-4.025,2.75) 38(-4.025,2.25) 39(-4.025,1.75) 40(-4.025,1.25) 41(-4.025,0.75) 42(-4.025,0.25) 43(-4.025,-0.25) 44(-4.025,-0.75) 45(-4.025,-1.25) 46(-4.025,-1.75) 47(-4.025,-2.25) 48(-4.025,-2.75)
  silkscreen extent -3.68,-4.7 3.05,3.05, body extent -4.5,-4.5 4.5,4.5, height 1.45
PC817-SMD [mm]
  rrect50% 2.13x1.57 smd: 1(-4.29,1.27) 2(-4.29,-1.27) 3(4.29,-1.27) 4(4.29,1.27)
  silkscreen extent -6.25,-2.54 3.5,2.54, body extent -4.87,-2.29 4.87,2.29, height 4
PTC [mil]
  round 55 hole 35: 1(-100,43.31) 2(100,-43.31)
  silkscreen extent -224,-59 224,59, body extent -225,-60 225,60, height 742
"R 0603" [mil] "1/10Wï¿½ï¿½Æ¬ï¿½ï¿½ï¿½ï¿½"
  rect 35x35 smd: 1(-35,0) 2(34,0)
  silkscreen extent -63,-26 62,26, body extent -31,-16 32,16, height 16
"R 0805" [mm] "1/8Wï¿½ï¿½Æ¬ï¿½ï¿½ï¿½ï¿½"
  rect 1.27x1.27 smd: 1(-1.143,0) 2(1.143,0)
  silkscreen extent -2.05,-0.9 2.05,0.9, body extent -1,-0.62 1,0.63, height 0.5
"R 1812" [mil] "1/2Wï¿½ï¿½Æ¬ï¿½ï¿½ï¿½ï¿½"
  rect 70x125 smd: 1(-100,0) 2(100,0)
  silkscreen extent -150,-80 150,80, body extent -89,-63 89,63, height 22
"RA1206 (4x0603)" [mm]
  rrect50% 0.8x0.5 smd: 1(-0.9,1.2) 2(-0.9,0.4) 3(-0.9,-0.4) 4(-0.9,-1.2) 5(0.9,-1.2) 6(0.9,-0.4) 7(0.9,0.4) 8(0.9,1.2)
  silkscreen extent -1.55,-1.65 0.85,1.65, body extent -0.8,-1.6 0.8,1.6, height 0.5
RGB-0805-A [mm]
  rect 1x0.5 smd: 1(-1.05,0.375) 2(1.05,0.375) 3(-1.05,-0.425) 4(1.05,-0.425)
  silkscreen extent -1.99,-1.03 2.01,0.97, body extent -0.99,-0.66 1.01,0.59, height 1.2
RJ-45A12 [mil] "ï¿½ï¿½ï¿½ß½Ó¿ï¿½"
  oval 98.43x78.74 hole 59.06: 0(-312.99,567.32) 0(-312.99,-42.13)
  round 130 hole 137.8: 0(-192.91,485.83) 0(-192.91,35.83)
  rect 75x75 hole 35.43: 1(-442.91,85.83)
  round 75 hole 35.43: 2(-542.91,135.83) 3(-442.91,185.83) 4(-542.91,235.83) 5(-442.91,285.83) 6(-542.91,335.83) 7(-442.91,385.83) 8(-542.91,435.83) 9(0,0) 10(0,100) 11(0,421.65) 12(0,521.65)
  silkscreen extent -608,-54 222,576, body extent -605,-53 237,572, height 59
SMA [mm] "4.5x2.6*2.2mm£¨³¤¿í¸ß£¬²»°üÀ¨Òý½Å£©"
  rect 2.2x1.75 smd: 1(-2.3,0) 2(2.3,0)
  silkscreen extent -2.7,-1.52 3.56,1.52, body extent -2.53,-1.3 2.58,1.3, height 2.15
SMB [mm] "4.7*3.9*2.2mm(³¤¿í¸ß£¬²»°üÀ¨Òý½Å£©"
  rect 2.5x2.2 smd: 1(-2.35,0) 2(2.35,0)
  silkscreen extent -2.8,-1.9 3.57,1.9, body extent -2.63,-1.8 2.67,1.8, height 2.35
SOD-323 [mm] "1.8x1.3X0.9mm£¨³¤¿í¸ß£¬²»°üÀ¨Òý½Å£©"
  rect 1x0.8 smd: 1(-1.4,0)
  oct 1x0.8 smd: 2(1.4,0)
  silkscreen extent -2.11,-0.76 2.11,0.76, body extent -1.34,-0.63 1.31,0.67, height 1
SOIC28 [mm]
  rrect25% 2.05x0.59 smd: 1(-4.681,8.281) 2(-4.681,7.011) 3(-4.681,5.741) 4(-4.681,4.471) 5(-4.681,3.201) 6(-4.681,1.931) 7(-4.681,0.661) 8(-4.681,-0.609) 9(-4.681,-1.879) 10(-4.681,-3.149) 11(-4.681,-4.419) 12(-4.681,-5.689) 13(-4.681,-6.959) 14(-4.681,-8.229) 15(4.629,-8.229) 16(4.629,-6.959) 17(4.629,-5.689) 18(4.629,-4.419) 19(4.629,-3.149) 20(4.629,-1.879) 21(4.629,-0.609) 22(4.629,0.661) 23(4.629,1.931) 24(4.629,3.201) 25(4.629,4.471) 26(4.629,5.741) 27(4.629,7.011) 28(4.629,8.281)
  silkscreen extent -6.9,-9.02 3.77,9.08, body extent -5.18,-8.98 5.14,8.92, height 2.65
SOP8-E3 [mm]
  rect 3.15x2.2 smd mask+0: 1-3(-0.635,-2.6)
  rect 0.6x2.2 smd: 4(1.905,-2.6)
  rect 4.4x2.2 smd mask+0: 5-8(0,2.6)
  silkscreen extent -2.67,-1.07 2.67,1.14, body extent -2.46,-3.07 2.54,2.93, height 1.9
SOP8_N [mm] "5*6*1.8mm£¨³¤¿í¸ß£©"
  rect 1.8x0.55 smd: 1(-2.625,1.905)
  oval 1.8x0.55 smd: 2(-2.625,0.635) 3(-2.625,-0.635) 4(-2.625,-1.905) 5(2.625,-1.905) 6(2.625,-0.635) 7(2.625,0.635) 8(2.625,1.905)
  silkscreen extent -2.69,-2.5 1.52,3.2, body extent -3,-2.5 3,2.5, height 1.9
SOT23-3L [mm] "3x1.3x1mm(ï¿½ï¿½ï¿½ï¿½ï¿½)"
  rect 0.45x1 smd: 1(-0.95,-1.143) 2(0.95,-1.143) 3(0,1.125)
  silkscreen extent -1.5,-0.3 1.5,0.7, body extent -1.5,-1.2 1.5,1.2, height 1.05
SOT23-6L [mm] "3x1.6x1.1mm(ï¿½ï¿½ï¿½ï¿½ï¿½)"
  rect 0.45x1 smd: 1(-0.95,-1.397) 2(0,-1.397) 3(0.95,-1.397) 4(0.95,1.397) 5(0,1.397) 6(-0.95,1.397)
  silkscreen extent -1.77,-1.78 1.55,0.51, body extent -1.5,-1.4 1.5,1.4, height 1.15
SOT23-8 [mm]
  rrect25% 1.21x0.48 smd: 1(0.345,0.95) 2(0.345,0.3) 3(0.345,-0.35) 4(0.345,-1) 5(2.855,-1) 6(2.855,-0.35) 7(2.855,0.3) 8(2.855,0.95)
  silkscreen extent -0.91,-1.56 2.4,1.51, body extent 0.2,-1.48 3,1.42, height 1.45
TO252 [mil] "252¾§Ìå¹Ü"
  rect 60x115 smd: 1(-89.55,-119.77)
  rect 230x245 smd: 2(0,165.35)
  rect 60x110 smd: 3(88.45,-120.77)
  silkscreen extent -196,-140 135,28, body extent -127,-120 129,251, height 91
TO263-5A [mm] "263£¬5½Å¾§Ìå¹Ü"
  rect 1.05x3.2 smd: 1(-3.4,0) 2(-1.7,0) 3(0,0) 4(1.7,0) 5(3.4,0)
  rect 10.45x10 smd: 3(0,10.414)
  silkscreen extent -6.24,-0.25 5.46,6.04, body extent -5,-0.01 5,13.32, height 4.5
TP15 [mm] "Round SMD Test Pin; 1.5 mm"
  round 1.5 smd: 1(0,0)
  silkscreen extent -0.95,-0.95 0.95,0.95
"TSW SMD-3*6*2.5" [mm] "3*6*2.5mm"
  rect 2x1.5 smd: 1(-3.996,-0.02) 2(3.937,0)
  silkscreen extent -3.21,-1.9 3.09,1.9, body extent -4,-1.88 4,1.62, height 2.59
USB-C-RIGHT [mm]
  rect 0.3x1.14 smd: A1(-3.096,3.937) A4(-2.296,3.937) A5(-0.996,3.937) A6(0.004,3.937) A7(0.504,3.937) A8(1.504,3.937) A9(2.804,3.937) A12(3.604,3.937) B1(3.304,3.937) B4(2.504,3.937) B5(2.004,3.937) B6(1.004,3.937) B7(-0.496,3.937) B8(-1.496,3.937) B9(-1.996,3.937) B12(-2.796,3.937)
  oval 1x2 hole 0.65 slot 1.72 at 90 deg: S1(-4.071,3.347) S2(4.579,3.347)
  oval 0.9x1.8 hole 0.65 slot 1.4 at 90 deg: S3(-4.071,-0.833) S4(4.579,-0.833)
  round 0.65 hole 0.65 unplated: ""(-2.636,2.867) ""(3.144,2.867)
  silkscreen extent -4.22,-2.92 4.72,2.03, body extent -4.22,-3.36 4.72,4.39, height 3.26
"Varistor Short Hieght - Straight" [mm] "B57237"
  round 2.2 hole 1: 1(0.3,1.1) 2(7.7,-1.1)
  silkscreen extent -2.1,-1.9 10,2, body extent -2,-1.9 10,1.9, height 13
VOS618A-SSOP4 [mm]
  rect 1.84x0.64 smd: 1(-3.276,0.432) 2(-3.276,-0.838) 3(2.895,-0.838) 4(2.895,0.432)
  silkscreen extent -4.32,-1.6 2.01,1.46, body extent -3.69,-1.63 3.31,1.22, height 2.09
VSSOP10-N [mm] "1.1 mm max height"
  rrect25% 1.47x0.28 smd: 1(-2.15,1) 2(-2.15,0.5) 3(-2.15,0) 4(-2.15,-0.5) 5(-2.15,-1) 6(2.15,-1) 7(2.15,-0.5) 8(2.15,0) 9(2.15,0.5) 10(2.15,1)
  silkscreen extent -2.46,-1.5 1.14,1.86, body extent -2.45,-1.5 2.45,1.5, height 1.1
XTAL-HC49S-THD [mm]
  round 1.5 hole 0.8: 1(-2.4,0) 2(2.4,0)
  silkscreen extent -5.7,-2.28 5.7,2.28, body extent -5.68,-2.35 5.68,2.3, height 3.5